# Altium PCB pay-ssm-v4-2.PcbDoc (part 2 of 4) (continued)
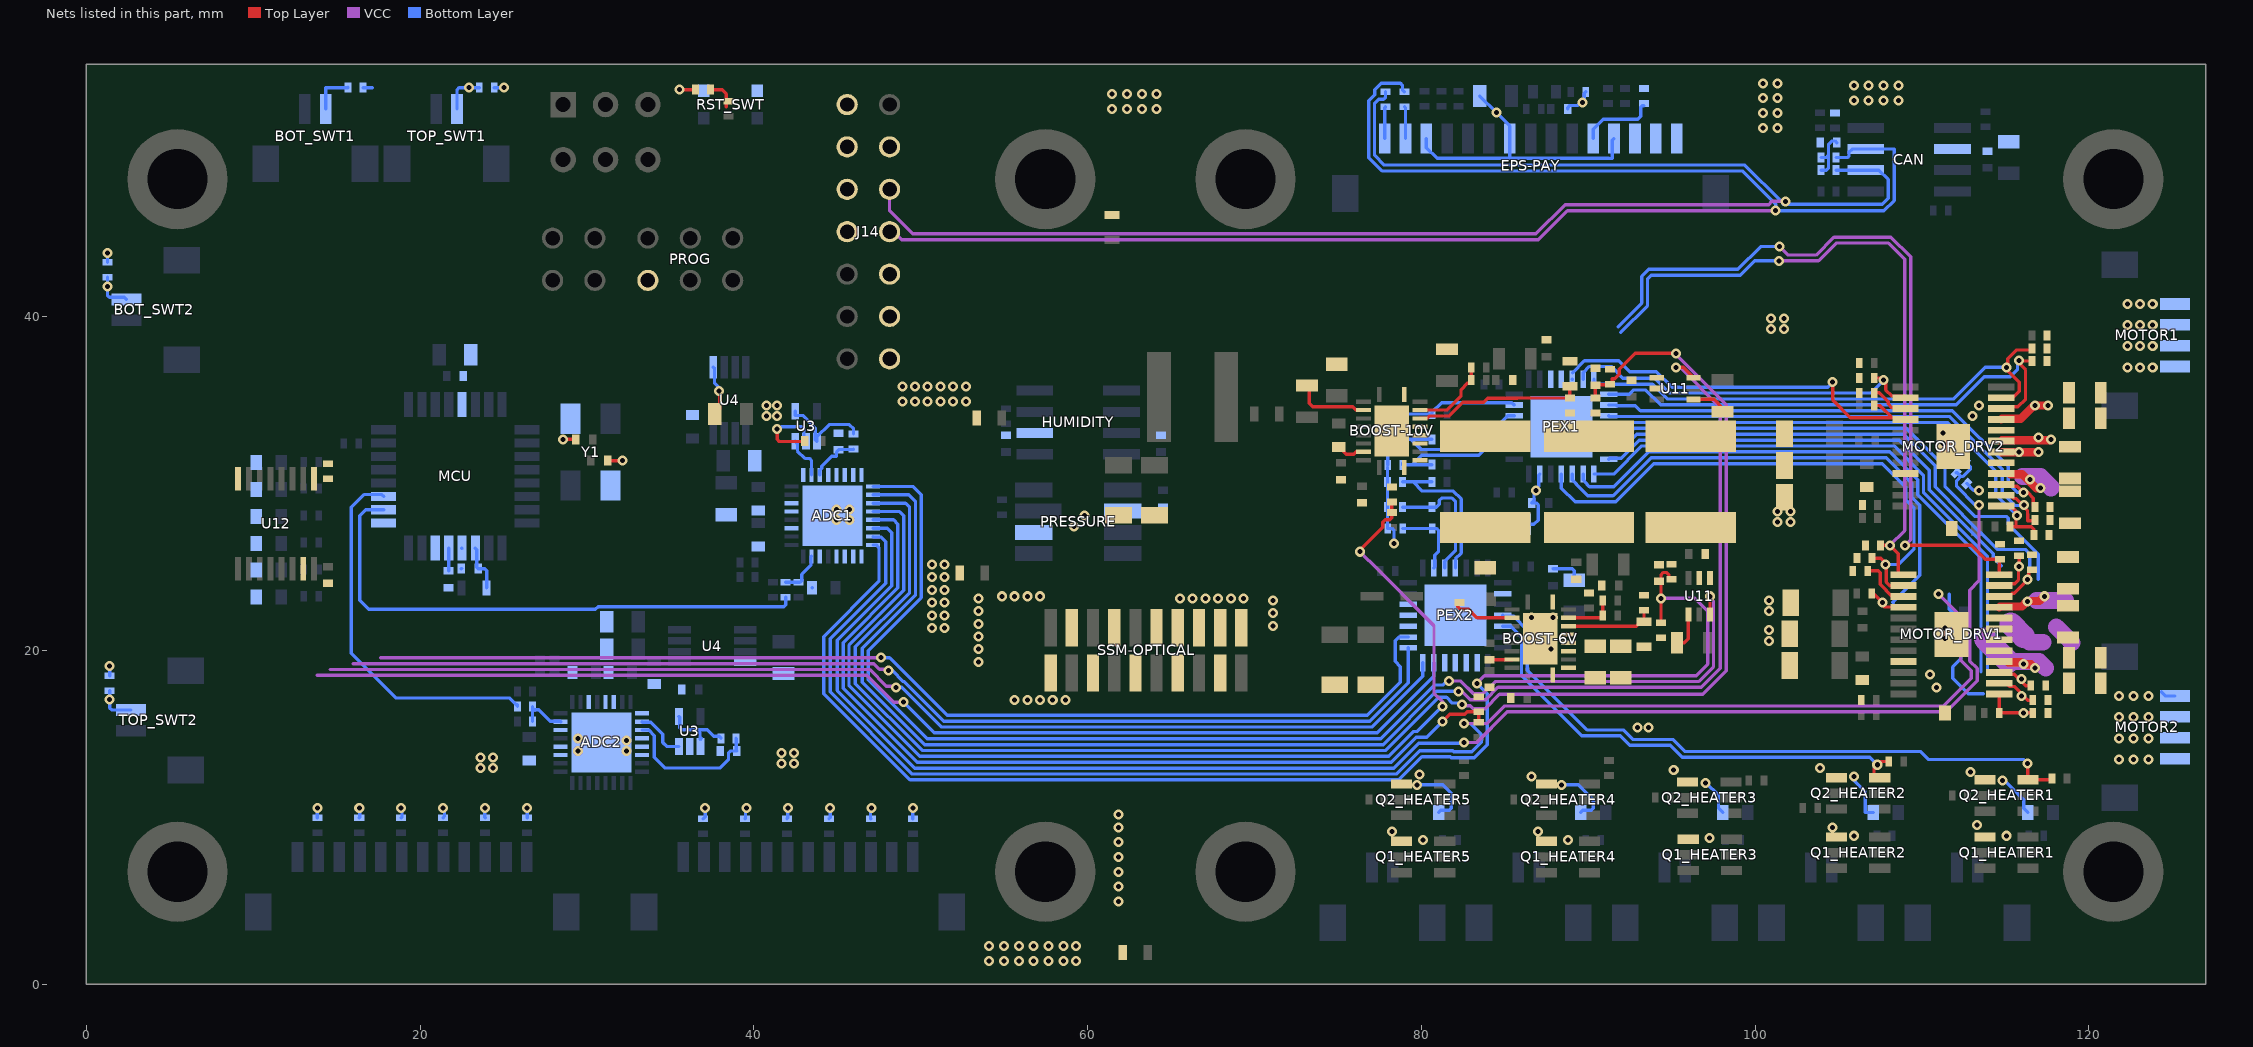
[diagram p6: the nets of this part, all layers, seen from the top]
## Part data (continued)
U3 U3: "Low power, low noise rail-to-rail op-amp.", Supplier Part Number 1=AD8613AKSZ-REEL7CT-ND, Supplier 1=Digi-Key
U4 U4: "Voltage Reference", Supplier Part Number 1=296-41382-1-ND, Supplier 1=Digi-Key
U11 U11: "IC CURR SENSE 1 CIRCUIT SC70-6", Supplier Part Number 1=296-51151-1-ND, ComponentLink1Description=Datasheet, ComponentLink1URL=http://www.ti.com/general/docs/suppproductinfo.tsp?distId=10&gotoUrl=http%3A%2F%2Fwww.ti.com%2Flit%2Fgpn%2Fina213-q1, Supplier 1=Digi-Key
U12: "Hex non-inverting buffer with 3-state outputs", Supplier Part Number 1=296-33932-5-ND, Supplier 1=Digi-Key
UART: "4 pos 100mil pitch low profile header", Supplier Part Number 1=SAM1088-02-ND, Supplier 1=Digi-Key
Y1: library part AMB3B-8MHz, "8MHz Abracom 4-pin crystal.", Supplier Part Number 1=535-13456-1-ND, Supplier 1=Digi-Key

## Free pads (board coordinates)
  round 6 hole 3.6 unplated: 1(5.461,6.731) 1(5.461,48.231) 1(57.461,6.731) 1(57.461,48.231) 1(69.461,6.731) 1(69.461,48.231) 1(121.461,6.731) 1(121.461,48.231)

## Via types
v1: diameter 0.6, hole 0.3, Top Layer to Bottom Layer, tented both sides, 478 vias

## Nets (pads, with @x,y where several pads share a name; then routed paths per layer and width w, separated by ;. In a path a pad name is that pad's centre, name@x,y a point inside that pad or via, vN(x,y) a via of type N, cw(c..) or ccw(c..) an arc to the next point about the centre after c; other vN are vias at no path point)
+BATT: BATT2BST6V.2 BATT2BST10V.2 BATT2HEAT.1 BATT2MOT.1 EPS-PAY.13 EPS-PAY.14 EPS-PAY.15 J14.1 J14.3 J14.5
  other v1: 54.102,1.397 54.991,1.397 55.88,1.397 56.769,1.397 57.658,1.397 58.547,1.397 59.309,1.397 54.102,2.286 54.991,2.286 55.88,2.286 56.769,2.286 57.658,2.286 58.547,2.286 59.309,2.286 61.849,4.953 61.849,5.842 61.849,6.731 61.849,7.62 61.849,8.509 61.849,9.398 61.849,10.16 50.673,21.336 51.435,21.336 50.673,22.098 51.435,22.098 50.673,22.86 51.435,22.86 50.673,23.622 51.435,23.622 50.673,24.384 51.435,24.384 50.673,25.146 51.435,25.146 48.895,34.925 49.657,34.925 50.419,34.925 51.181,34.925 51.943,34.925 52.705,34.925 48.895,35.814 49.657,35.814 50.419,35.814 51.181,35.814 51.943,35.814 52.705,35.814 100.457,51.308 101.346,51.308 100.457,52.197 101.346,52.197 61.468,52.451 62.357,52.451 63.246,52.451 64.135,52.451 100.457,53.086 101.346,53.086 61.468,53.34 62.357,53.34 63.246,53.34 64.135,53.34 100.457,53.975 101.346,53.975
A0_Port_Expander1: PEX1.11 R71.1@80.634,31.13 R74.2@78.878,31.115 | length 8.9
  Bottom Layer w0.2: R74.2@78.878,31.215 R74.2@78.878,31.115 79.502,31.115 ; R71.1@80.634,31.13 80.619,31.115 79.502,31.115 ; PEX1.11@85.557,33.401 85.165,33.401 83.446,31.682 80.01,31.682 79.502,31.174 79.502,31.115
A0_Port_Expander2: PEX2.11 R71.1@80.634,30.099 R74.2@78.867,30.099 | length 9.4
  Bottom Layer w0.2: R74.2@78.867,30.099 79.502,30.099 ; R71.1@80.634,30.099 79.502,30.099 ; PEX2.11@82.042,24.933 82.042,25.477 82.394,25.829 82.394,29.07 81.918,29.547 80.054,29.547 79.502,30.099
A1_Port_Expander1: PEX1.12 R70.1@80.634,32.631 R73.2@78.878,32.639 | length 9
  Bottom Layer w0.2: R73.2@78.878,32.639 79.375,32.639 ; R70.1@80.634,32.631 80.627,32.639 79.375,32.639 ; PEX1.12@85.557,34.051 85.165,34.051 83.149,32.035 79.979,32.035 79.375,32.639
A1_Port_Expander2: PEX2.12 R70.1@80.634,28.575 R73.2@78.867,28.575 | length 7.9
  Bottom Layer w0.2: R73.2@78.867,28.575 R70.1@80.634,28.575 80.899,28.575 81.082,28.758 81.082,28.98 81.229,29.127 81.839,29.127 82.042,28.924 82.042,25.975 81.392,25.325 PEX2.12@81.392,24.933
A2_Port_Expander1: PEX1.13 R69.1@80.634,34.163 R72.2@78.878,34.163 | length 7.1
  Bottom Layer w0.2: R72.2@78.878,34.163 R69.1@80.634,34.163 80.634,34.263 81.213,34.842 85.416,34.842 PEX1.13@85.557,34.701
A2_Port_Expander2: PEX2.13 R69.1@80.645,27.305 R72.2@78.878,27.305 | length 4.6
  Bottom Layer w0.2: R72.2@78.878,27.305 R69.1@80.645,27.305 80.909,27.305 81.026,27.188 81.026,25.908 80.807,25.689 80.807,24.998 PEX2.13@80.742,24.933
A_PHASE_MOT1: J14.12 MCU.22 MOTOR_DRV1.13 R60.2@107.511,26.289 | length 40.9
  Top Layer w0.2: R60.2@107.511,26.289 v1(108.077,26.289) 108.585,25.781 108.585,24.635 108.69,24.53 MOTOR_DRV1.13@108.89,24.53
  VCC w0.2: v1(101.444,43.336) 103.797,43.336 104.868,44.406 107.994,44.406 108.966,43.434 108.966,27.178 v1(108.077,26.289)
  Bottom Layer w0.2: 91.938,39.046 93.555,40.663 93.555,42.256 93.774,42.475 99.108,42.475 99.968,43.336 v1(101.444,43.336)
ADC1_CS_N: MCU.26 R19.1@41.91,23.172 | length 33
  Bottom Layer w0.2: MCU.26@17.816,28.423 16.739,28.423 16.383,28.067 16.383,22.987 16.915,22.455 30.512,22.455 30.676,22.619 41.806,22.619 41.91,22.723 R19.1@41.91,23.172
ADC2_CS_N: MCU.27 R19.1@25.839,16.637 | length 22.4
  Bottom Layer w0.2: MCU.27@17.816,29.223 17.702,29.337 16.637,29.337 15.875,28.575 15.875,19.812 18.542,17.145 25.387,17.145 25.387,17.121 25.771,16.737 25.839,16.737 R19.1@25.839,16.637
ADC_AINP_ADC1: ADC1.3 C11.2@45.085,32.012 R21.2@45.974,32.062 | length 3.1
  Bottom Layer w0.2: ADC1.3@43.954,30.502 43.954,30.792 44.072,30.91 44.072,31.027 44.668,31.623 44.958,31.623 44.958,31.887 45.083,32.012 C11.2@45.085,32.012 45.11,32.037 45.949,32.037 R21.2@45.974,32.062
ADC_AINP_ADC2: ADC2.3 C11.2@38.981,13.97 R21.2@38.931,14.732 | length 8.8
  Bottom Layer w0.2: ADC2.3@33.296,15.228 33.703,15.228 34.036,14.895 34.036,13.589 34.671,12.954 37.983,12.954 38.481,13.452 38.481,13.843 38.608,13.97 C11.2@38.981,13.97 38.956,13.995 38.956,14.707 R21.2@38.931,14.732
ADC_BUF_OUT_ADC1: R21.1@45.974,32.962 U3.1@43.78,32.521 U3.4@42.48,34.321 | length 5.8
  Bottom Layer w0.2: U3.4@42.48,34.321 42.48,34.075 42.934,34.075 43.688,33.321 43.688,32.613 U3.1@43.78,32.521 43.78,32.786 44.522,33.528 45.72,33.528 45.974,33.274 R21.1@45.974,32.962
ADC_BUF_OUT_ADC2: R21.1@38.031,14.732 U3.1@36.812,14.239 U3.4@35.512,16.039 | length 4.2
  Bottom Layer w0.2: U3.4@35.512,16.039 35.56,15.991 35.56,15.357 35.677,15.24 36.576,15.24 ; U3.1@36.854,14.732 36.777,14.656 36.777,15.039 36.576,15.24 ; R21.1@38.031,14.732 38.031,14.759 37.931,14.859 37.592,14.859 37.211,15.24 36.576,15.24
ADC_CH3_ADC1: ADC1.15 R42.1 R78_MOT_DRV1.2 | length 95.3
  VCC w0.2: v1(82.55,15.621) 83.957,15.621 85.001,16.666 111.3,16.666 112.947,18.313 112.947,18.771 112.312,19.406 112.312,22.054 v1(110.998,23.368)
  Bottom Layer w0.2: ADC1.15@47.139,26.817 47.169,26.787 47.635,26.787 47.908,26.514 47.908,24.022 46.746,22.86 46.736,22.86 44.577,20.701 44.577,17.516 49.503,12.589 78.493,12.589 79.889,13.986 81.875,13.986 81.936,13.926 83.023,13.926 83.595,14.497 83.595,14.957 82.931,15.621 v1(82.55,15.621) ; 111.633,23.368 111.633,22.453 112.117,21.969 112.405,21.969 112.522,21.851 R42.1@112.522,21.521 R78_MOT_DRV1.2@112.522,20.897
ADC_CH4_ADC1: ADC1.14 R43.1 R78_MOT_DRV2.2 | length 99.6
  VCC w0.2: v1(82.55,14.478) 83.312,14.478 85.147,16.313 104.016,16.313 109.385,16.313 111.446,16.313 113.3,18.167 113.3,18.917 112.858,19.359 112.858,23.605 113.411,24.159 v1(113.411,28.702)
  Bottom Layer w0.2: ADC1.14@47.139,27.317 47.994,27.317 48.26,27.051 48.26,23.876 44.999,20.615 44.999,17.592 49.649,12.942 78.347,12.942 79.839,14.434 82.506,14.434 v1(82.55,14.478) ; R78_MOT_DRV2.2@112.04,30.634 112.117,30.634 112.333,30.418 ; R43.1@112.586,31.305 112.884,31.007 112.884,30.842 112.747,30.705 112.743,30.705 112.457,30.418 112.333,30.418 ; v1(113.411,28.702) 113.19,28.702 112.07,29.822 112.07,30.155 112.333,30.418
ADC_MXO_ADC1: ADC1.2 U3.3@42.48,32.521 | length 2.6
  Bottom Layer w0.2: U3.3@42.48,32.521 42.615,32.386 42.615,31.944 43.063,31.496 43.337,31.496 43.454,31.379 ADC1.2@43.454,30.502
ADC_MXO_ADC2: ADC2.2 U3.3@35.512,14.239 | length 3.1
  Bottom Layer w0.2: ADC2.2@33.296,15.728 33.326,15.698 33.832,15.698 34.544,14.986 34.544,14.478 34.783,14.239 U3.3@35.512,14.239
ADECAY_MOTOR_DRV1: MOTOR_DRV1.3 PEX1.28 R62.2@116.517,17.907 | length 30.2
  Top Layer w0.2: MOTOR_DRV1.3@114.63,18.68 114.735,18.575 115.518,18.575 116.205,17.888 116.498,17.888 R62.2@116.517,17.907
  Bottom Layer w0.2: PEX1.28@91.227,31.451 91.292,31.516 91.968,31.516 93.05,32.598 108.626,32.598 110.441,30.783 110.441,29.621 114.271,25.79 114.271,25.556 114.749,25.078
  other v1: 115.951,18.288
ADECAY_MOTOR_DRV2: MOTOR_DRV2.3 PEX1.23 R62.2@116.771,28.575 | length 30.5
  Top Layer w0.2: MOTOR_DRV2.3@114.746,29.939 114.851,29.834 115.708,29.834 v1(116.078,29.464) 116.328,29.464 116.671,29.121 116.671,28.675 R62.2@116.771,28.575
  Bottom Layer w0.2: PEX1.23@91.227,34.701 91.651,34.701 91.694,34.658 92.831,34.658 93.129,34.36 111.817,34.36 115.16,31.017 115.16,30.001 115.697,29.464 v1(116.078,29.464)
AENBL_MOTOR_DRV1: MOTOR_DRV1.10 PEX1.26 R58.2@116.586,24.823 | length 34.4
  Top Layer w0.2: MOTOR_DRV1.10@114.63,23.23 115.21,23.23 115.403,23.423 115.52,23.423 116.332,24.235 v1(116.332,24.257) 116.386,24.311 116.386,24.723 116.486,24.823 R58.2@116.586,24.823
  Bottom Layer w0.2: PEX1.26@91.227,32.751 92.197,32.751 92.748,33.302 109.055,33.302 111.379,30.978 111.379,29.808 113.164,28.023 115.049,28.023 115.166,27.905 115.166,27.553 116.967,25.753 116.967,24.257
AENBL_MOTOR_DRV2: MOTOR_DRV2.10 PEX1.22 R58.2@116.586,37.338 | length 31.1
  Top Layer w0.2: MOTOR_DRV2.10@114.746,34.489 114.851,34.594 115.747,34.594 116.205,35.052 116.205,36.801 115.725,37.281 v1(115.802,37.358) ; v1@116.086,37.338 R58.2@116.586,37.338
  Bottom Layer w0.2: PEX1.22@91.227,35.351 92.459,35.351 92.705,35.597 93.454,35.597 94.339,34.712 112.046,34.712 113.724,36.39 115.277,36.39 115.725,36.839 115.725,37.281 v1(115.802,37.358)
AISEN_MOTOR_DRV1: MOTOR_DRV1.5 R56.2@118.811,18.034 R57.2@118.811,19.558
AISEN_MOTOR_DRV2: MOTOR_DRV2.5 R56.2@118.872,29.525 R57.2@118.872,30.292
AOUT1_MOTOR_DRV1: MOTOR2.1 MOTOR_DRV1.4 | length 7
  Top Layer w0.5: MOTOR_DRV1.4@115.165,19.287 115.941,19.287 116.051,19.177 v1(116.078,19.177) 116.097,19.158 116.531,19.158 116.748,18.941 v1(116.776,18.941)
  VCC w1: 115.167,19.326 117.025,19.326 117.411,18.941
  VCC w1.37: 113.795,20.698 115.167,19.326
  Bottom Layer w0.2: MOTOR2.1@124.346,17.512 124.596,17.262 MOTOR2.1@125.146,17.262
  other v1: 121.793,17.272 122.682,17.272 123.571,17.272
AOUT1_MOTOR_DRV2: MOTOR1.1 MOTOR_DRV2.4 | length 4.2
  Top Layer w0.5: MOTOR_DRV2.4@115.281,30.546 116.012,30.546 116.84,29.718 v1(117.094,29.718)
  VCC w1: 116.014,30.416 117.107,30.416 117.729,29.795 117.729,29.718
  other v1: 116.459,30.226 122.301,40.767 123.063,40.767 123.825,40.767
AOUT2_MOTOR_DRV1: MOTOR2.2 MOTOR_DRV1.6 | length 2.4
  VCC w1: 116.078,20.828 116.427,20.479 117.269,20.479
  VCC w1.37: 115.318,21.588 116.078,20.828
  other v1: 121.793,16.002 122.682,16.002 123.571,16.002
AOUT2_MOTOR_DRV2: MOTOR1.2 MOTOR_DRV2.6 | length 2.2
  Top Layer w0.5: MOTOR_DRV2.6@114.758,31.877 v1(116.967,31.877)
  other v1: 115.824,31.877 122.301,39.497 123.063,39.497 123.825,39.497
AREF: C4.2 MCU.21 | length 1.4
  Bottom Layer w0.2: MCU.21@21.716,26.123 C4.2@21.717,24.765 C4.2@21.717,24.765
AVCC: C3.2 L1.2 MCU.19 | length 2.9
  Bottom Layer w0.2: MCU.19@23.316,26.123 23.397,26.041 23.397,24.973 C3.2@23.479,24.892 23.886,24.892 24.003,24.775 24.003,23.769 L1.2@23.983,23.749
B_PHASE_MOT1: J14.14 MCU.25 MOTOR_DRV1.12 R61.2@114.681,25.458 | length 46.7
  Top Layer w0.2: v1(108.966,26.289) 112.951,26.289 113.782,25.458 R61.2@114.681,25.458 114.63,25.407 MOTOR_DRV1.12@114.63,24.53 115.167,24.53 MOTOR_DRV1.12@115.272,24.635
  VCC w0.2: v1(101.473,44.196) 101.981,43.688 103.651,43.688 104.722,44.759 108.14,44.759 109.318,43.58 109.318,26.641 v1(108.966,26.289)
  Bottom Layer w0.2: 91.792,39.399 93.202,40.809 93.202,42.402 93.628,42.828 98.962,42.828 100.33,44.196 v1(101.473,44.196)
BDECAY_MOTOR_DRV1: MOTOR_DRV1.2 PEX1.1 R63.2@116.644,17.018 | length 36.9
  Top Layer w0.2: MOTOR_DRV1.2@114.63,18.03 115.145,18.03 115.145,17.932 115.239,17.837 115.52,17.837 116.339,17.018 R63.2@116.644,17.018
  Bottom Layer w0.2: PEX1.1@90.342,30.566 91.526,30.566 93.205,32.245 108.344,32.245 110.088,30.501 110.088,29.475 113.919,25.644 113.919,18.85
  other v1: 115.951,17.272
BDECAY_MOTOR_DRV2: MOTOR_DRV2.2 PEX1.24 R63.2@116.771,27.813 | length 30.9
  Top Layer w0.2: MOTOR_DRV2.2@114.746,29.289 115.326,29.289 115.519,29.096 115.653,29.096 115.984,28.765 v1@116.045,28.765 ; v1@116.053,28.648 116.319,28.383 116.319,28.17 116.332,28.157 116.332,27.757 116.69,27.757 116.694,27.753 116.771,27.83 R63.2@116.771,27.813
  Bottom Layer w0.2: PEX1.24@91.227,34.051 91.271,34.007 111.662,34.007 114.808,30.861 114.808,29.454 115.584,28.678 v1@116.083,28.678
  other v1: 116.116,28.712
BENBL_MOTOR_DRV1: MOTOR_DRV1.11 PEX1.27 R59.2@115.824,25.665 | length 32.8
  Top Layer w0.2: MOTOR_DRV1.11@114.63,23.88 114.735,23.985 115.552,23.985 115.78,24.213 115.78,24.975 v1(115.824,25.019) R59.2@115.824,25.665
  Bottom Layer w0.2: PEX1.27@91.227,32.101 92.045,32.101 92.894,32.95 108.909,32.95 110.793,31.066 110.793,29.796 112.421,28.168 112.421,28.139 114.515,26.045 116.176,26.045 116.459,25.762 116.459,25.019
BENBL_MOTOR_DRV2: MOTOR_DRV2.11 PEX1.21 R59.2@116.586,38.1 | length 31.1
  Top Layer w0.2: MOTOR_DRV2.11@114.746,35.139 115.443,35.139 115.824,35.52 115.824,36.058 v1@115.098,36.784 ; v1@115.098,37.12 115.117,37.12 115.139,37.142 115.139,37.476 115.663,38 116.586,38 R59.2@116.586,38.1
  Bottom Layer w0.2: PEX1.21@90.342,36.236 90.342,36.014 90.407,35.949 93.6,35.949 93.609,35.941 93.853,35.941 94.729,35.065 111.9,35.065 113.792,36.957 v1(115.062,36.957)
BISEN_MOTOR_DRV1: MOTOR_DRV1.8 R54.2@118.745,22.667 R55.2@118.745,23.688
BISEN_MOTOR_DRV2: MOTOR_DRV2.8 R54.2@118.811,33.909 R55.2@118.811,35.433
BOOST2_CURR_MON: ADC1.9 U11.6@97.297,22.141 | length 75.5
  Top Layer w0.2: v1(97.282,23.241) 97.282,23.114 97.297,23.099 U11.6@97.297,22.141
  VCC w0.2: v1(81.661,18.161) 82.362,18.161 83.124,17.399 83.693,17.399 84.426,18.132 96.609,18.132 97.507,19.031 97.507,22.907 97.282,23.133 v1(97.282,23.241)
  Bottom Layer w0.2: ADC1.9@47.139,29.817 49.558,29.817 50.038,29.337 50.038,23.162 46.847,19.971 46.847,18.236 50.379,14.704 77.569,14.704 80.791,17.926 81.318,17.926 81.553,18.161 v1(81.661,18.161)
BOOST2_OUT: BOOST-6V.14 BOOST-6V.15 BOOST-6V.16 C35.2 C50.2 R87.1 R89.2 R91.2 U11.4@95.997,22.141 | length 2.2
  Top Layer w0.2: R87.1@95.316,20.447 95.758,20.447 95.997,20.686 U11.4@95.997,22.141
BOOST2_TEMP: ADC1.13 R41.1 R78_BST6V.2 | length 54.6
  Top Layer w0.2: v1(81.28,15.748) 81.705,16.173 82.614,16.173 82.754,16.314 R78_BST6V.2@83.439,16.314 R41.1@83.439,15.69
  Bottom Layer w0.2: ADC1.13@47.139,27.817 48.37,27.817 48.628,27.559 48.628,23.746 45.352,20.469 45.352,17.738 49.795,13.294 78.201,13.294 79.693,14.786 80.318,14.786 v1(81.28,15.748)
BOOST2_VOLT_DIV: BOOST-6V.17 R89.1 R93.2 | length 5.3
  Top Layer w0.2: BOOST-6V.17@88.807,21.451 92.891,21.451 93.145,21.705 R89.1@93.345,21.705 R93.2@93.345,22.41
BOOST2_VOLT_MON: ADC1.16 C52.2 R91.1 R94.2 | length 81.8
  Top Layer w0.2: R91.1@94.361,21.659 94.359,21.661 v1(94.359,23.114) 94.359,24.013 C52.2@94.234,24.138 94.236,24.138 94.361,24.263 94.361,24.543 94.478,24.661 94.698,24.661 94.834,24.525 94.834,24.357 94.934,24.257 R94.2@94.996,24.257
  VCC w0.2: v1(83.322,18.024) 83.782,18.485 96.463,18.485 97.155,19.177 97.155,22.352 96.393,23.114 v1(94.359,23.114)
  Bottom Layer w0.2: ADC1.16@47.139,26.317 47.341,26.317 47.498,26.16 47.498,24.13 44.196,20.828 44.196,17.398 49.357,12.237 78.639,12.237 80.035,13.633 81.729,13.633 81.79,13.573 83.169,13.573 83.947,14.351 83.947,17.399 v1(83.322,18.024)
BOOST_CURR_MON: ADC1.10 U11.6@96.307,36.337 | length 90.7
  Top Layer w0.2: v1(95.25,36.957) 95.687,36.957 U11.6@96.307,36.337
  VCC w0.2: v1(82.216,17.526) 82.442,17.526 82.928,17.04 83.851,17.04 84.592,17.78 96.774,17.78 97.917,18.923 97.917,34.544 95.504,36.957 v1(95.25,36.957)
  Bottom Layer w0.2: ADC1.10@47.139,29.317 49.296,29.317 49.686,28.927 49.686,23.308 46.495,20.117 46.495,18.09 50.233,14.351 77.715,14.351 80.905,17.542 82.2,17.542 v1(82.216,17.526)
BOOST_OUT: BOOST-10V.14 BOOST-10V.15 BOOST-10V.16 C21.2 C24.2 C28.2 R28.1 R30.2 R32.2 U11.4@96.307,35.037 | length 2.2
  Top Layer w0.2: U11.4@96.307,35.037 97.551,35.037 98.044,34.544 R28.1@98.044,34.295
BOOST_TEMP: ADC1.12 R36.1 R78_BST10V.2 | length 67.4
  Top Layer w0.2: v1(76.327,25.908) 76.461,25.908 76.461,26.162 77.68,27.38 77.68,27.668 77.827,27.815 78.115,27.815 78.232,27.933 R36.1@78.232,28.263 R78_BST10V.2@78.232,28.887
  VCC w0.2: v1(76.327,25.908) 76.537,25.698 76.537,25.679 76.86,25.356 76.889,25.356 80.756,21.488 80.756,17.444 81.28,16.92 v1(81.28,16.637)
  Bottom Layer w0.2: ADC1.12@47.139,28.317 48.731,28.317 48.981,28.067 48.981,23.6 45.704,20.323 45.704,17.884 49.941,13.646 78.055,13.646 79.547,15.138 79.756,15.138 81.255,16.637 v1(81.28,16.637)
BOOST_VOLT_DIV: BOOST-10V.17 R30.1 R34.2 | length 10.2
  Top Layer w0.2: BOOST-10V.17@79.917,33.897 79.947,33.927 80.384,33.927 80.502,34.045 81.67,34.045 82.486,34.861 83.736,34.861 83.972,35.096 85.748,35.096 85.773,35.121 R30.1@88.9,35.121 R34.2@88.9,35.826
BOOST_VOLT_MON: ADC1.11 C30.2 R32.1 R35.2 | length 97.5
  Top Layer w0.2: R32.1@90.424,35.248 C30.2@90.424,35.891 90.449,35.916 91.288,35.916 R35.2@91.313,35.941 91.34,35.941 91.44,36.041 91.44,36.271 91.6,36.271 91.865,36.536 91.865,36.857 92.807,37.799 v1(95.25,37.799)
  VCC w0.2: v1(82.423,16.764) 82.5,16.687 82.931,16.687 83.109,16.51 83.82,16.51 84.68,17.37 96.872,17.37 98.269,18.767 98.269,34.719 95.25,37.738 v1(95.25,37.799)
  Bottom Layer w0.2: ADC1.11@47.139,28.817 49.091,28.817 49.333,28.575 49.333,23.454 46.085,20.206 46.085,18.001 50.087,13.999 77.861,13.999 81.051,17.189 81.509,17.189 81.858,16.841 82.346,16.841 v1(82.423,16.764)
BOOT: BOOST-10V.8 C19.1 | length 1.7
  Top Layer w0.2: C19.1@75.057,32.193 75.389,31.861 75.5,31.75 75.946,31.75 76.093,31.897 BOOST-10V.8@76.547,31.897
BOOT2: BOOST-6V.8 C31.1 | length 1.4
  Top Layer w0.2: C31.1@84.074,19.439 84.08,19.445 85.431,19.445 BOOST-6V.8@85.437,19.451
BOT_SW1_IRQ: BOT_SWT1.2 PEX2.22 R46.1 | length 71.6
  VCC w0.2: 14.605,18.853 46.933,18.853 47.929,17.857 48.447,17.857 v1(48.524,17.78)
  Bottom Layer w0.2: BOT_SWT1.2@14.351,52.451 14.351,53.721 15.652,53.721 15.679,53.748 R46.1@15.679,53.721 ; v1(48.524,17.78) 48.865,17.78 51.237,15.408 77.064,15.408 80.092,18.437 PEX2.22@80.092,19.263
BOT_SW2_IRQ: BOT_SWT2.2 PEX2.20 R47.1 | length 69.1
  VCC w0.2: 17.653,19.558 v1(47.625,19.558)
  Bottom Layer w0.2: R47.1@1.27,42.349 v1(1.27,41.807) 1.27,41.265 1.387,41.148 2.286,41.148 BOT_SWT2.2@2.413,41.021 ; v1(47.625,19.558) 48.133,19.558 51.578,16.113 76.772,16.113 78.74,18.081 78.74,19.03 78.435,19.336 78.435,20.584 78.649,20.798 PEX2.20@79.207,20.798
BOUT1_MOTOR_DRV1: MOTOR2.3 MOTOR_DRV1.9 | length 4.8
  Top Layer w0.5: MOTOR_DRV1.9@114.63,22.58 114.673,22.623 115.987,22.623 116.305,22.94 v1(116.332,22.94) 116.351,22.959 117.039,22.959 117.321,23.241 v1(117.348,23.241)
  VCC w1: 116.84,22.987 118.618,22.987
  other v1: 121.793,14.732 122.682,14.732 123.571,14.732
BOUT1_MOTOR_DRV2: MOTOR1.3 MOTOR_DRV2.9 | length 3.1
  Top Layer w0.5: MOTOR_DRV2.9@114.746,33.839 114.789,33.882 115.924,33.882 116.713,34.671 v1(117.538,34.671)
  other v1: 116.776,34.671 122.301,38.227 123.063,38.227 123.825,38.227
BOUT2_MOTOR_DRV1: MOTOR2.4 MOTOR_DRV1.7 | length 1.4
  VCC w0.2: 118.618,20.828 118.618,20.868
  VCC w1: 118.046,21.399 118.618,20.828 118.999,20.447
  other v1: 121.793,13.462 122.682,13.462 123.571,13.462
BOUT2_MOTOR_DRV2: MOTOR1.4 MOTOR_DRV2.7 | length 3
  Top Layer w0.5: MOTOR_DRV2.7@114.746,32.539 114.789,32.582 117.672,32.582 v1(117.729,32.639)
  other v1: 116.967,32.766 122.301,36.957 123.063,36.957 123.825,36.957
BUF_EN_N: R79.2 U12.1 U12.15
CAN_CM_F: C9.2 R12.1 R16.1 | length 3.1
  Bottom Layer w0.2: R12.1@103.944,48.768 104.267,48.768 104.392,48.893 104.392,49.655 ; R16.1@103.944,49.53 104.267,49.53 104.392,49.655 ; C9.2@104.874,50.417 104.894,50.417 C9.2@104.894,50.419 104.79,50.523 104.625,50.523 104.392,50.29 104.392,49.655
CANH: CAN.7 J14.8 R2.2 R16.2 | length 101.1
  VCC w0.2: J14.8@48.133,45.085 48.133,45.339 48.866,44.606 53.232,44.606 87.014,44.606 88.752,46.344 v1(101.23,46.344)
  Bottom Layer w0.2: R2.2@78.994,53.478 78.967,53.478 78.867,53.578 78.867,53.858 78.75,53.975 77.597,53.975 77.216,53.594 77.216,53.298 76.842,52.925 76.842,49.522 77.639,48.725 99.239,48.725 99.938,48.026 100.863,47.102 101.23,46.735 v1(101.23,46.344) 101.241,46.333 107.71,46.333 108.331,46.954 108.331,50.038 CAN.7@106.62,50.038 105.82,50.038 105.62,49.838 105.62,49.613 105.537,49.53 R16.2@104.844,49.53
CANH_R: EPS-PAY.2 R2.1 | length 1.9
  Bottom Layer w0.2: R2.1@78.994,52.578 79.047,52.525 EPS-PAY.2@79.047,50.673
CANL: CAN.6 J14.6 R1.2 R12.2 | length 97.5
  VCC w0.2: J14.6@48.133,47.625 48.133,46.34 49.515,44.958 53.086,44.958 86.868,44.958 88.617,46.707 100.809,46.707 101.009,46.907 101.81,46.907 v1(101.832,46.885)
  Bottom Layer w0.2: R1.2@77.851,53.478 77.851,53.148 77.734,53.03 77.446,53.03 77.195,52.779 77.195,49.668 77.785,49.078 99.385,49.078 101.556,46.907 v1@101.81,46.907 ; v1(101.832,46.885) 101.683,46.736 107.615,46.736 107.972,47.093 107.972,48.216 107.42,48.768 CAN.6@106.62,48.768 R12.2@104.844,48.768
CANL_R: EPS-PAY.1 R1.1 | length 1.9
  Bottom Layer w0.2: EPS-PAY.1@77.797,50.673 77.797,52.524 R1.1@77.851,52.578
COMP: BOOST-10V.18 R27.2 R31.2 | length 4.8
  Top Layer w0.2: BOOST-10V.18@79.917,34.397 81.514,34.397 82.379,35.262 82.379,35.622 82.752,35.995 82.889,35.995 82.989,36.095 R27.2@82.989,36.957
COMP2: BOOST-6V.18 R40.2 R90.2 | length 3.1
  Top Layer w0.2: BOOST-6V.18@88.807,21.951 90.843,21.951 90.863,21.971 R90.2@90.863,22.987
CONFIG_MOTOR_DRV1: MOTOR_DRV1.15 R51.1@106.749,24.765 | length 3.2
  Top Layer w0.2: R51.1@106.749,24.765 107.383,24.765 107.5,24.648 107.5,23.948 107.853,23.596 107.853,23.57 108.193,23.23 MOTOR_DRV1.15@108.89,23.23
CONFIG_MOTOR_DRV2: MOTOR_DRV2.15 R51.1@107.13,35.433 | length 2.3
  Top Layer w0.2: R51.1@107.13,35.433 107.442,35.433 107.969,34.906 107.969,34.77 108.196,34.542 108.953,34.542 MOTOR_DRV2.15@109.006,34.489
CS_N_R_ADC1: ADC1.23 R19.2@41.91,24.072 R24.1@42.672,24.072 | length 2.7
  Bottom Layer w0.2: R19.2@41.91,24.072 R24.1@42.672,24.072 42.772,24.072 42.872,24.172 42.872,24.549 43.424,25.101 43.424,25.602 ADC1.23@43.454,25.632
CS_N_R_ADC2: ADC2.23 R19.2@26.739,16.637 R24.1@26.739,15.748 | length 2.9
  Bottom Layer w0.2: R24.1@26.739,15.748 R19.2@26.739,16.537 ; R19.2@26.739,16.637 R19.2@26.739,16.537 ; ADC2.23@28.426,15.728 28.396,15.758 27.803,15.758 27.124,16.437 26.839,16.437 R19.2@26.739,16.537
EPS_RST: R10.2
EPS_RST_R: EPS-PAY.11 R10.1 | length 4.5
  Bottom Layer w0.2: EPS-PAY.11@90.297,50.673 90.297,51.223 90.899,51.825 92.964,51.825 93.145,52.006 93.145,52.536 93.245,52.636 R10.1@93.345,52.636
FSW: BOOST-10V.3 R26.1 | length 4.6
  Top Layer w0.2: R26.1@73.152,35.875 73.279,35.748 73.279,34.798 73.484,34.593 75.897,34.593 76.073,34.417 76.527,34.417 BOOST-10V.3@76.547,34.397
FSW2: BOOST-6V.3 R39.1 | length 3.9
  Top Layer w0.2: R39.1@82.169,22.929 82.188,22.91 82.188,22.599 82.305,22.481 82.802,22.481 83.332,21.951 BOOST-6V.3@85.437,21.951
GEN_THM: ADC1.8 R76.1 R78_AmbientTemp.2 | length 1.8
  Top Layer w0.2: R78_AmbientTemp.2@37.407,53.594 38.1,53.594 38.354,53.34 R76.1@38.354,53.001 ; 38.354,52.571 R76.1@38.354,52.951
GND: ADC1.1 ADC1.4 ADC1.5 ADC1.6 ADC1.7 ADC1.17 ADC1.18 ADC1.19 ADC1.20 ADC1.22 ADC1.27 ADC1.30 ADC1.33 ADC2.1 ADC2.4 ADC2.5 ADC2.6 ADC2.19 ADC2.20 ADC2.22 ADC2.27 ADC2.30 ADC2.33 BOOST-6V.11 BOOST-6V.12 BOOST-6V.20 BOOST-6V.21 BOOST-10V.11 BOOST-10V.12 BOOST-10V.20 BOOST-10V.21 C1.1 C2.1 C3.1 C4.1 C5.1 C6.1 C7.1 C8.1 C9.1 C10.1 C11.1 C12.1 C13.1 C14.1 C15.1 C16.1 C17.1 C18.1 C20.1 C21.1 C22.1 C23.1 C24.1 C25.1 C26.1 C27.1 C28.1 C29.1 C30.1 C32.1 C33.1 C34.1 C35.1 C37.1 C38.1 C39.1 C40.2 C41.1 C41_Port_Expander1.1 C41_Port_Expander2.1 C42.2 C43.1 C44.2 C45.1 C46.1 C47.1 C48.1 C49.1 C50.1 C51.1 C52.1 C53.1 C55.1 CAN.2 D2.2 D3.2 D4.2 D5.2 D6.2 D7.2 D8_HEATER1.2 D8_HEATER2.2 D8_HEATER3.2 D8_HEATER4.2 D8_HEATER5.2 EPS-PAY.3 EPS-PAY.7 EPS-PAY.12 HUMIDITY.2 J14.4 J14.7 J14.10 MCU.5 MCU.20 MOTOR_DRV1.21 MOTOR_DRV1.25 MOTOR_DRV2.21 MOTOR_DRV2.25 nSLEEP.2 PEX1.6 PEX1.29 PEX2.6 PEX2.29 PRESSURE.2 PRESSURE.6 PROG.6 Q1_HEATER1.4 Q1_HEATER2.4 Q1_HEATER3.4 Q1_HEATER4.4 Q1_HEATER5.4 Q2_HEATER1.4 Q2_HEATER2.4 Q2_HEATER3.4 Q2_HEATER4.4 Q2_HEATER5.4 R18.1 R29.1 R34.1 R35.1 R44.2 R45.2 R46.2 R47.2 R50.1 R51.2 R52.1 R53.1 R54.1 R55.1 R56.1 R57.1 R58.1 R59.1 R60.1 R61.1 R62.1 R63.1 R72.1 R73.1 R74.1 R78_AmbientTemp.1 R78_BST6V.1 R78_BST10V.1 R78_MF_THM1_6.1 R78_MF_THM1_7.1 R78_MF_THM1_8.1 R78_MF_THM1_9.1 R78_MF_THM1_10.1 R78_MF_THM1_11.1 R78_MF_THM2_12.1 R78_MF_THM2_13.1 R78_MF_THM2_14.1 R78_MF_THM2_15.1 R78_MF_THM2_16.1 R78_MF_THM2_17.1 R78_MOT_DRV1.1 R78_MOT_DRV2.1 R79.1 R88.1 R93.1 R94.1 R95.1 RST_SWT.2 SSM-OPTICAL.2 SSM-OPTICAL.3 SSM-OPTICAL.6 SSM-OPTICAL.7 SSM-OPTICAL.10 SSM-OPTICAL.11 SSM-OPTICAL.13 SSM-OPTICAL.14 SSM-OPTICAL.15 SSM-OPTICAL.17 SSM-OPTICAL.18 SSM-OPTICAL.19 U3.2 U4.4 U11.1 U11.2 U12.8 Y1.2 Y1.4 | length 74.5
  Top Layer w0.2: v1(28.575,32.639) C5.1@29.337,32.639 ; C6.1@31.234,31.369 v1(32.131,31.369) ; v1(35.56,53.594) R78_AmbientTemp.1@36.507,53.594 ; C12.1@37.658,34.163 37.958,34.463 37.958,35.501 v1(37.918,35.541) ; v1(41.402,33.274) 41.402,32.639 41.529,32.512 43.025,32.512 C10.1@43.056,32.543
  Bottom Layer w0.2: R47.2@1.27,43.249 v1(1.27,43.815) ; R45.2@1.397,18.484 v1(1.397,19.05) ; R78_MF_THM2_12.1@13.843,9.975 v1(13.843,10.541) ; R78_MF_THM2_13.1@16.358,9.975 16.383,10 v1@16.383,10.541 ; R46.2@16.579,53.721 17.145,53.721 ; R78_MF_THM2_14.1@18.872,9.975 18.923,10.026 v1@18.923,10.541 ; R78_MF_THM2_15.1@21.387,9.975 21.463,10.051 v1@21.463,10.541 ; C3.1@22.479,24.892 C3.1@22.494,24.907 ; MCU.20@22.502,26.108 MCU.20@22.516,26.123 ; v1@23.876,10.541 23.876,10 R78_MF_THM2_16.1@23.901,9.975 ; R44.2@24.453,53.721 v1(25.019,53.721) ; R78_MF_THM2_17.1@26.416,9.975 v1(26.416,10.541) ; R78_MF_THM1_6.1@36.957,9.906 37.084,10.033 v1(37.084,10.541) ; U4.4@37.577,36.97 37.646,36.901 37.646,35.995 37.918,35.723 v1(37.918,35.541) ; R78_MF_THM1_7.1@39.472,9.906 39.497,9.931 v1@39.497,10.541 ; v1(41.402,33.274) 41.529,33.274 41.656,33.401 42.889,33.401 43.006,33.284 43.006,32.645 U3.2@43.13,32.521 ; R78_MF_THM1_8.1@41.986,9.906 42.037,9.957 v1@42.037,10.541 ; C16.1@43.496,23.749 C16.1@43.496,23.757 ; R78_MF_THM1_9.1@44.501,9.906 44.577,9.982 v1@44.577,10.541 ; v1@46.99,10.668 46.99,9.931 R78_MF_THM1_10.1@47.015,9.906 ; R78_MF_THM1_11.1@49.53,9.906 v1(49.53,10.541) ; R74.1@77.973,30.983 77.973,30.104 R74.1@77.967,30.099 R73.1@77.967,28.575 77.967,27.316 R72.1@77.978,27.305 78.242,27.305 78.359,27.188 v1(78.359,26.416) ; R74.1@77.973,31.11 R74.1@77.978,31.115 R73.1@77.978,32.639 R72.1@77.978,34.163 ; v1(79.725,11.938) 81.28,11.938 81.788,11.43 81.788,10.531 81.671,10.414 81.165,10.414 D8_HEATER5.2@81.038,10.287 ; EPS-PAY.3@80.297,50.673 80.297,50.123 80.943,49.477 85.297,49.477 ; C55.1@83.505,53.213 v1(84.488,52.23) 85.297,51.421 EPS-PAY.7@85.297,50.673 85.297,49.477 ; C41_Port_Expander1.1@86.172,27.559 86.182,27.549 86.741,27.549 86.995,27.803 86.995,28.712 86.878,28.829 C41.1@86.622,28.829 86.747,28.954 86.747,29.343 86.878,29.473 v1(86.878,29.581) 86.878,29.69 87.027,29.839 87.027,30.501 PEX1.6@87.092,30.566 ; C41.1@87.884,24.884 87.892,24.892 89.037,24.892 89.154,24.775 C41_Port_Expander2.1@89.154,24.191 ; v1(88.407,11.938) 89.408,11.938 90.297,11.049 90.297,10.531 90.18,10.414 89.674,10.414 D8_HEATER4.2@89.547,10.287 ; C53.1@88.765,52.451 88.765,52.526 88.89,52.651 89.373,52.651 89.554,52.832 v1(89.662,52.832) 89.662,52.94 89.758,53.036 89.758,53.367 R95.1@89.858,53.467 ; EPS-PAY.12@91.547,50.673 91.44,50.566 91.44,49.473 91.243,49.473 91.239,49.477 85.297,49.477 ; v1(97.028,12.065) 97.047,12.065 97.806,11.306 97.806,10.537 D8_HEATER3.2@98.056,10.287 ; v1(105.918,12.446) 105.918,12.211 106.597,11.532 106.597,10.287 D8_HEATER2.2@107.073,10.287 ; R78_MOT_DRV1.1@112.522,19.997 112.422,19.997 112.322,19.897 112.322,19.485 111.843,19.006 111.843,18.313 112.757,17.399 113.665,17.399 ; R78_MOT_DRV2.1@112.676,29.998 113.083,29.591 v1(113.411,29.591) ; v1(114.808,12.192) 114.885,12.115 115.031,12.115 116.094,11.052 116.094,10.537 D8_HEATER1.2@116.344,10.287
  other v1: 80.106,8.636 88.788,8.636 97.251,8.763 105.918,8.89 115.062,8.89 78.232,9.144 86.995,9.144 104.648,9.398 113.284,9.525 16.358,10.541 18.872,10.541 21.387,10.541 23.901,10.541 39.573,10.541 42.062,10.541 44.552,10.541 47.041,10.541 86.614,12.446 79.883,12.573 112.903,12.7 95.123,12.827 23.622,12.954 24.384,12.954 103.886,12.954 41.656,13.208 42.418,13.208 23.622,13.589 24.384,13.589 41.656,13.843 42.418,13.843 29.464,13.97 32.385,13.97 32.385,14.605 29.464,14.732 92.964,15.367 93.599,15.367 55.626,17.018 56.388,17.018 57.15,17.018 57.912,17.018 58.674,17.018 110.871,17.78 110.49,18.542 53.467,19.304 53.467,20.066 87.757,20.066 100.838,20.574 111.379,20.701 53.467,20.828 100.838,21.209 111.379,21.336 71.12,21.463 53.467,21.59 86.614,21.971 87.884,21.971 71.12,22.225 53.467,22.352 100.838,22.352 71.12,22.987 100.838,22.987 53.467,23.114 65.532,23.114 66.294,23.114 67.056,23.114 67.818,23.114 68.58,23.114 69.342,23.114 54.864,23.241 55.626,23.241 56.388,23.241 57.15,23.241 59.182,27.432 101.346,27.686 102.108,27.686 44.958,27.813 45.72,27.813 59.817,28.067 101.346,28.321 102.108,28.321 44.958,28.448 45.72,28.448 111.252,32.385 111.252,33.02 40.767,34.036 41.402,34.036 113.03,34.036 40.767,34.671 41.402,34.671 113.411,34.671 100.965,39.243 101.727,39.243 100.965,39.878 101.727,39.878 105.918,52.959 106.807,52.959 107.696,52.959 108.585,52.959 105.918,53.848 106.807,53.848 107.696,53.848 108.585,53.848
GPA0_Port_Expander1: PEX1.17
GPA0_Port_Expander2: PEX2.17
GPA1_Port_Expander1: PEX1.18
GPA1_Port_Expander2: PEX2.18
GPA2_Port_Expander1: MOTOR_DRV2.16 PEX1.19 R48.1@107.13,34.671 | length 24
  Top Layer w0.2: v1(104.648,36.068) 104.648,35.001 105.711,33.938 108.21,33.938 ; R48.1@107.13,34.671 107.477,34.671 108.21,33.938 ; MOTOR_DRV2.16@109.006,33.839 108.907,33.938 108.21,33.938
  Bottom Layer w0.2: PEX1.19@89.042,36.236 PEX1.19@89.058,36.252 ; PEX1.19@89.058,36.643 89.775,37.361 91.825,37.361 92.482,36.703 94.088,36.703 95.021,35.769 104.349,35.769 v1(104.648,36.068)
GPA2_Port_Expander2: PEX2.19
GPA3_Port_Expander1: MOTOR_DRV2.14 PEX1.20 R52.2@107.13,36.322 | length 22.2
  Top Layer w0.2: R52.2@107.13,36.322 107.569,36.322 v1(107.696,36.195) 107.823,36.068 107.823,35.597 108.176,35.244 108.901,35.244 MOTOR_DRV2.14@109.006,35.139
  Bottom Layer w0.2: PEX1.20@89.692,36.236 89.692,36.628 90.072,37.008 91.369,37.008 92.076,36.302 93.991,36.302 94.875,35.417 106.918,35.417 v1(107.696,36.195)
GPA4_Port_Expander2: PEX2.21 R44.1 TOP_SWT1.2 | length 70.2
  VCC w0.2: 16.002,19.206 47.196,19.206 47.529,18.873 47.998,18.873 v1(48.074,18.796)
  Bottom Layer w0.2: TOP_SWT1.2@22.215,52.451 22.215,53.604 22.332,53.721 v1(22.943,53.721) R44.1@23.553,53.721 ; v1(48.074,18.796) 48.289,18.796 48.952,18.132 49.011,18.132 51.383,15.761 76.918,15.761 79.207,18.05 PEX2.21@79.207,20.148
GPA6_Port_Expander2: PEX2.23 R45.1 TOP_SWT2.2 | length 72.9
  VCC w0.2: 13.843,18.501 46.768,18.501 48.377,16.891 v1(48.973,16.891)
  Bottom Layer w0.2: R45.1@1.397,17.584 v1(1.397,17.064) 1.397,16.544 1.514,16.427 TOP_SWT2.2@2.669,16.427 ; v1(48.973,16.891) 50.808,15.056 77.355,15.056 80.742,18.443 PEX2.23@80.742,19.263
GPA7_Port_Expander2: PEX2.24
GPB0_Port_Expander1: MOTOR_DRV2.1 PEX1.25 R53.2@116.713,26.924 R64.1@115.273,27.432 | length 31.2
  Top Layer w0.2: MOTOR_DRV2.1@114.746,28.639 115.326,28.639 v1@115.631,28.334 ; R64.1@115.273,27.432 115.3,27.405 115.631,27.405 v1@115.631,28.067 ; 115.697,27.405 116.544,27.405 116.713,27.236 R53.2@116.713,26.924
  Bottom Layer w0.2: PEX1.25@91.227,33.401 92.329,33.401 92.583,33.655 111.516,33.655 114.427,30.744 114.427,29.337 v1(115.697,28.067)
GPB0_Port_Expander2: PEX2.25
GPB1_Port_Expander2: PEX2.26
GPB2_Port_Expander2: PEX2.27
GPB5_Port_Expander1: MOTOR_DRV1.1 PEX1.2 R53.2@116.644,16.256 R64.1@114.623,16.256 | length 38.4
  Top Layer w0.2: MOTOR_DRV1.1@114.63,17.38 114.623,17.373 R64.1@114.623,16.256 v1(116.078,16.256) R53.2@116.644,16.256
  Bottom Layer w0.2: PEX1.2@89.692,30.566 89.692,30.211 89.925,29.978 89.925,29.941 90.072,29.794 91.525,29.794 93.624,31.893 108.061,31.893 109.736,30.218 109.736,29.329 113.538,25.527 113.538,18.704
GPB6_Port_Expander1: MOTOR_DRV1.16 PEX1.3 R48.1@106.994,23.405 | length 32.7
  Top Layer w0.2: R48.1@107.04,23.451 v1(107.619,22.872) ; 107.746,22.593 108.877,22.593 MOTOR_DRV1.16@108.89,22.58
  Bottom Layer w0.2: PEX1.3@89.042,30.566 89.042,30.211 89.275,29.978 89.275,29.941 89.962,29.254 91.484,29.254 93.77,31.54 107.852,31.54 109.383,30.008 109.383,29.183 109.871,28.696 109.871,24.488 108.254,22.872 108.267,22.86
GPB7_Port_Expander1: MOTOR_DRV1.14 PEX1.4 R52.2@107.003,25.527 | length 32.4
  Top Layer w0.2: R52.2@107.13,25.527 107.529,25.527 v1@107.853,25.203 ; v1@107.853,25.146 107.853,24.094 108.067,23.88 MOTOR_DRV1.14@108.89,23.88
  Bottom Layer w0.2: PEX1.4@88.392,30.566 88.392,29.718 89.208,28.902 91.64,28.902 93.926,31.188 107.623,31.188 109.031,29.78 109.031,29.037 109.518,28.55 109.518,26.06 108.604,25.146 v1(107.823,25.146)
GPIO_ADS79521: ADC1.29
GPIO_ADS79522: ADC2.29
HEATER_EN_HEATER1_N: PEX2.4 Q2_HEATER1.3 R66_HEATER1.1 | length 39
  Top Layer w0.2: v1(116.332,13.208) 116.332,12.268 Q2_HEATER1.3@116.357,12.243 117.711,12.243 R66_HEATER1.1@117.787,12.319
  Bottom Layer w0.2: PEX2.4@84.877,22.098 84.942,22.033 85.536,22.033 86.354,21.215 86.354,18.796 89.923,15.227 92.088,15.227 92.656,14.659 95.069,14.659 95.787,13.941 109.903,13.941 110.382,13.462 116.078,13.462 v1(116.332,13.208)
HEATER_EN_HEATER2_N: PEX2.3 Q2_HEATER2.3 R66_HEATER2.1 | length 29.1
  Top Layer w0.2: Q2_HEATER2.3@107.467,12.37 107.306,12.37 107.127,12.549 107.127,12.954 v1(107.318,13.144) 107.508,13.335 R66_HEATER2.1@108.008,13.335
  Bottom Layer w0.2: PEX2.3@84.877,21.448 85.349,21.448 86.002,20.796 86.002,18.485 89.612,14.875 91.913,14.875 92.481,14.307 94.923,14.307 95.641,13.589 106.873,13.589 v1(107.318,13.144)